# Altium PCB AX7021B.PcbDoc (part 6 of 6)
Units mil, origin at the board's own origin, x right, y up, seen from the top; angles counter-clockwise.
Board outline 5906.91 x 4331.71 mil, 4 copper layers (TOP, SGND, SVCC, BOTTOM), stack 63 mil thick; 463 components, 582 nets, 2114 pads, 861 vias.
Unrouted connection lines stored in the file: 129.
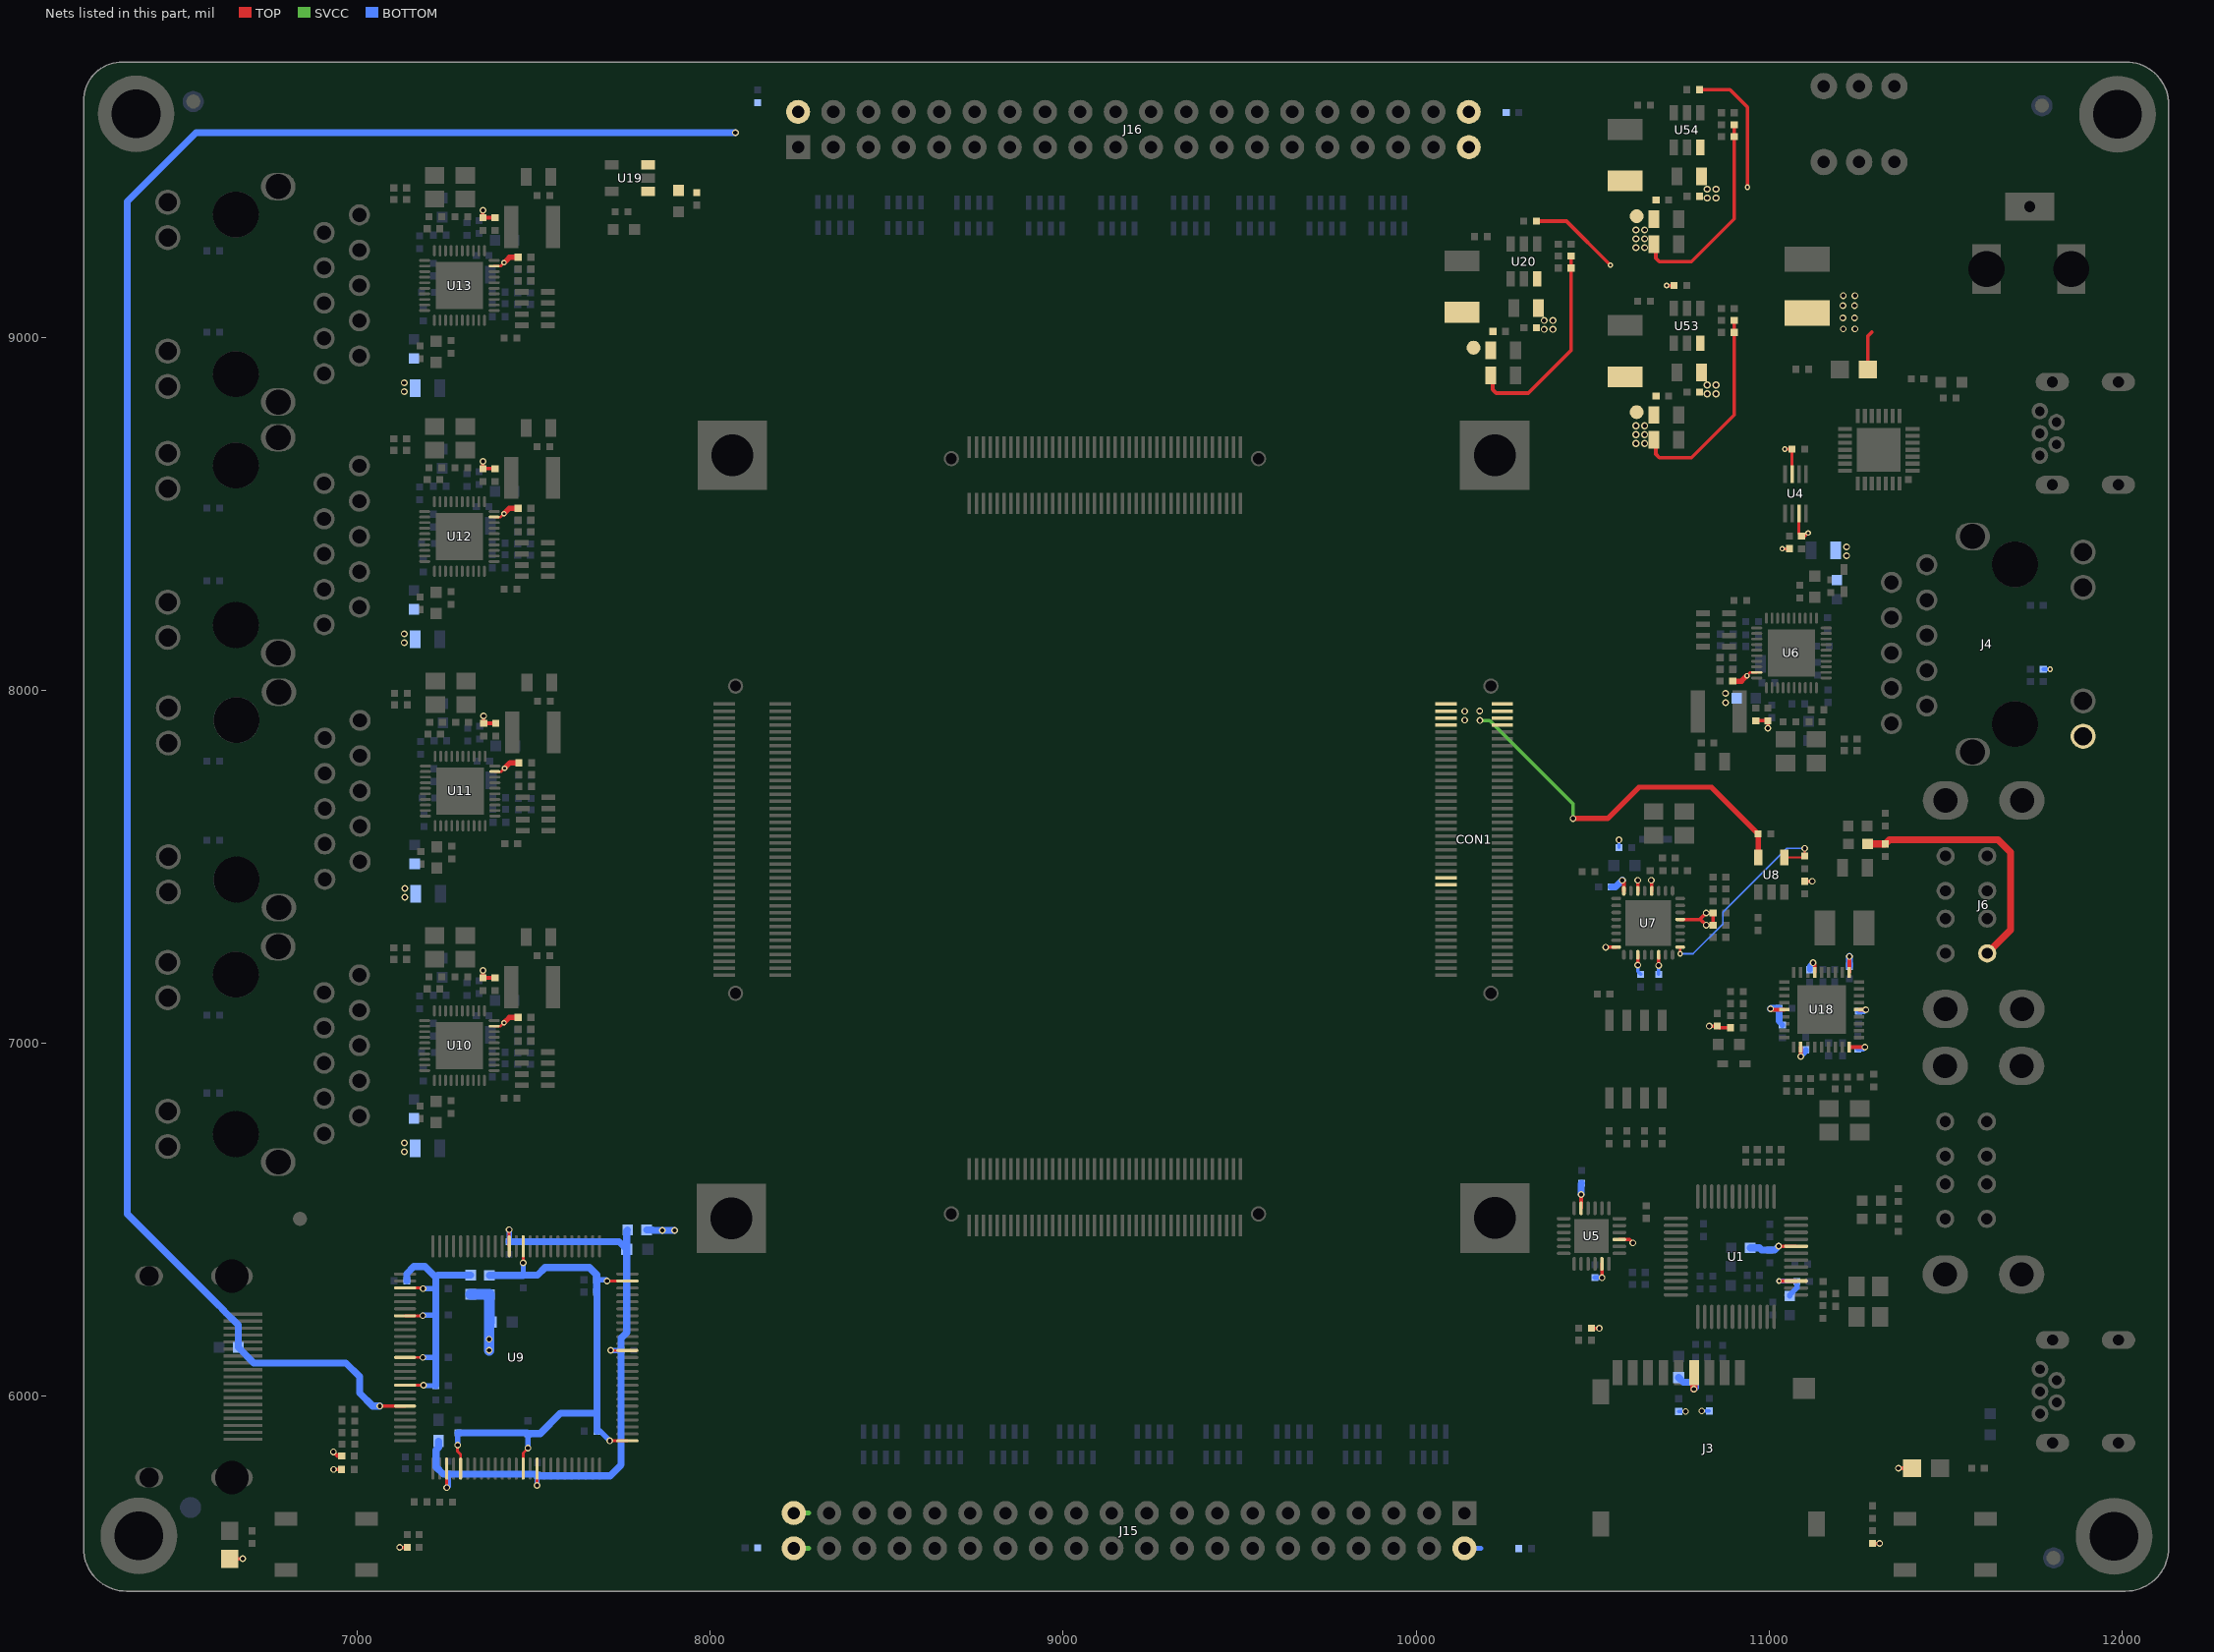
[diagram p8: the nets of this part, all layers, seen from the top]

## Via types
v1: diameter 16, hole 8, TOP to BOTTOM, 459 vias
v2: diameter 19, hole 12, TOP to BOTTOM, 320 vias
v3: diameter 19.69, hole 11.81, TOP to BOTTOM, 82 vias

## Nets (pads, with @x,y where several pads share a name; then routed paths per layer and width w, separated by ;. In a path a pad name is that pad's centre, name@x,y a point inside that pad or via, vN(x,y) a via of type N, cw(c..) or ccw(c..) an arc to the next point about the centre after c; other vN are vias at no path point) (continued)
VBUS4: C242.1 J6.B1 L30.1 | length 738.7
  TOP w20: L30.1@11278.74,7565.28 11278.9,7565.12 C242.1@11329.3,7565.12 11341.03,7576.85 11648.65,7576.85 11684.04,7541.46 11684.04,7321.29 J6.B1@11617.8,7255.05
VCC1V8: C24.1 C54.1 C55.1 C56.1 C81.1 C623.1 C624.2 C625.1 C626.1 L8.2 L9.2 L40.2 L65.1 R36.2 R320.1 TP3.1 U5.5 U7.8 U7.11 U7.14 U7.28 U7.30 U7.32 | length 1164.8
  TOP w10: U5.5@10467.34,6533.09 v2(10467.34,6572.15) ; v2(10537.04,7272.43) U7.8@10566.87,7272.43 ; v2(10584.04,7461.85) 10588.52,7457.37 U7.32@10588.52,7431.88 ; v2(10627.89,7221.85) U7.11@10627.89,7250.78 ; U7.30@10627.89,7431.88 v2(10627.89,7462) ; v2(10666.04,7461.85) 10667.26,7460.63 U7.28@10667.26,7431.88 ; C623.1@10673.8,8709.38 10678.94,8704.24 10678.94,8669.33 10688.94,8659.33 10779.81,8659.33 10900.79,8780.31 C624.2@10900.79,9013.91 R320.1@10900.79,9047.56 ; v2(10686.95,7220.94) U7.14@10686.95,7250.78
  BOTTOM w8: R36.2@10574.59,7554.47 v2(10574.59,7576.54)
  BOTTOM w10: v2(10627.89,7221.85) 10627.89,7204 C54.1@10636.04,7195.85 ; v2(10686.95,7220.94) 10686.95,7195.94 C56.1@10687.04,7195.85
  BOTTOM w20: v2(10467.34,6572.15) 10467.34,6602.15 C24.1@10469.04,6603.85 ; C55.1@10553.04,7442.85 10565.04,7442.85 v2(10584.04,7461.85)
  BOTTOM w30: L9.2@7322.04,6289.35 7374.41,6289.35 L8.2@7374.8,6288.96 7374.8,6210.61 7374.04,6209.85 v2(7374.04,6161.85) v2(7374.04,6130.85)
  other v3: 10876.81,7965.49 10876.29,7991.5 10622.56,8699.36 10647.56,8699.36 10622.56,8724.36 10647.56,8724.36 10622.56,8749.36 10647.56,8749.36
VCC3V3: C22.1 C23.1 C25.1 C52.1 C53.1 C191.1 C193.1 C223.1 C224.1 C225.1 C226.1 C227.1 C228.1 C229.1 C239.1 C240.1 C629.2 C630.1 C631.1 C632.1 C1489.1 C1494.1 C1498.1 C1503.1 C1521.1 C1526.1 C1538.1 C1543.1 C1555.1 C1560.1 J3.4 J4.11 J15.39 J15.40 J16.39 J16.40 L7.1 L41.2 L63.1 L67.1 L71.1 L75.1 L79.1 LED1.1 LED2.1 R16.2 R17.2 R19.2 R41.1 R48.2 R49.2 R119.2 R123.2 R153.2 R160.1 R163.2 R324.1 R1025.1 R1028.2 R1029.2 R1045.2 R1061.1 R1062.2 R1078.1 R1080.2 R1096.1 R1098.2 R1115.1 TP2.1 U4.3 U4.7 U5.17 U5.21 U6.29 U7.21 U10.29 U11.29 U12.29 U13.29 U18.5 U18.10 U18.15 U18.23 U18.29 U18.36 | length 2754.8
  TOP w7.5: U12.29@7388.37,8490.85 7406.41,8490.85 v1(7416.01,8500.45) ; U13.29@7388.37,9201.85 7406.41,9201.85 v1(7416.01,9211.45) ; U10.29@7388.38,7048.84 7406.42,7048.84 v1(7416.02,7058.44) ; U11.29@7390.37,7769.85 7408.41,7769.85 v1(7418.01,7779.45) ; v1(10937.07,8041.25) 10946.67,8050.85 U6.29@10964.71,8050.85
  TOP w8: v1(11037.18,8401.3) R160.1@11057.39,8401.3 ; v1(11044.25,8683.37) C239.1@11064.62,8683.37 11064.85,8683.14 U4.3@11064.85,8612.46 ; U4.7@11084.53,8501.24 11084.53,8444.05 C240.1@11091.48,8437.1 11102.31,8437.1 11110.31,8445.1 v1(11110.31,8445.68)
  TOP w10: LED2.1@6639.37,5540.38 v2(6676.18,5540.38) ; v2(6932.91,5842.98) 6944.64,5831.25 R48.2@6956.36,5831.25 ; v2(6933.5,5793.14) R49.2@6956.18,5793.14 ; v2(7120.56,5572.4) R123.2@7142.08,5572.4 ; v3(7356.56,7206.74) R1045.2@7356.56,7185.79 R1061.1@7390.69,7185.79 ; v3(7356.55,8648.75) R1080.2@7356.55,8627.8 R1096.1@7390.68,8627.8 ; v3(7356.55,9359.75) R1098.2@7356.55,9338.8 R1115.1@7390.68,9338.8 ; v3(7358.55,7927.75) R1062.2@7358.55,7906.8 R1078.1@7392.68,7906.8 ; R19.2@10496.6,6193.03 v2(10519.16,6193.03) ; v2(10526.4,6336.26) U5.17@10526.4,6375.61 ; U5.21@10575.61,6444.51 10604.38,6444.51 v2(10614.04,6434.85) ; C630.1@10673.8,9264.13 10678.94,9258.99 10678.94,9224.08 10688.94,9214.08 10779.81,9214.08 10900.79,9335.06 R324.1@10900.79,9602.31 ; U7.21@10747.97,7351.17 10803.41,7351.17 ; v2(10830.41,7049.02) C224.1@10853.06,7049.02 10857.83,7044.25 R153.2@10890.56,7044.25 ; R1025.1@10962.4,7913.9 R1028.2@10996.53,7913.9 v3(10996.53,7892.95) ; v2(11003.99,7098.18) 11006.82,7095.35 U18.23@11042.73,7095.35 ; v2(11089.48,6963.18) U18.29@11089.48,6989.54 ; R41.1@11100.69,7459.32 v2(11121.92,7459.32) ; v2(11124.4,7228.52) 11128.85,7224.07 U18.15@11128.85,7201.16 ; U18.36@11227.28,6989.54 v2(11271.35,6989.54) ; U18.10@11227.28,7201.16 v2(11227.28,7246.09) ; U18.5@11254.35,7095.35 v2(11273.73,7095.35) ; R119.2@11292.62,5583.44 v2(11312.97,5583.44) ; v2(11366.26,5796.58) LED1.1@11405.27,5796.58 ; 10803.41,7351.17 10805.32,7351.17 v2(10821.58,7334.91) C53.1@10841.28,7334.91 C52.1@10841.28,7369.29 v2(10821.53,7369.29) 10803.41,7351.17
  TOP w15: v1(7416.02,7058.44) 7431.29,7073.71 C1503.1@7456.42,7073.71 ; v1(7416.01,8500.45) 7431.28,8515.72 C1543.1@7456.41,8515.72 ; v1(7416.01,9211.45) 7431.28,9226.72 C1560.1@7456.41,9226.72 ; v1(7418.01,7779.45) 7433.28,7794.72 C1526.1@7458.41,7794.72 ; C1494.1@10896.67,8025.98 10921.8,8025.98 v1(10937.07,8041.25)
  TOP w20: v2(10787.12,6020.72) J3.4@10787.12,6067.85
  SVCC w15: J15.40@8237.04,5569.85 8278.56,5569.85 ; J15.39@8237.04,5669.85 8278.56,5669.85
  BOTTOM w10: R16.2@10743.76,5957.49 v2(10763.41,5957.49) ; v2(10809.38,5958.67) R17.2@10830.58,5958.67 ; R1029.2@11776.54,8059.67 v1(11795.91,8059.67)
  BOTTOM w15: C23.1@10506.54,6336.82 10525.84,6336.82 v2(10526.4,6336.26) ; 11028.27,7063.62 11028.27,7060.98 R163.2@11037.5,7051.75 ; v2(11089.48,6963.18) 11103.73,6977.43 C229.1@11103.73,6981.72 ; C227.1@11115,7208.6 11115,7219.12 v2(11124.4,7228.52) ; C223.1@11251.35,6984.31 11266.12,6984.31 v2(11271.35,6989.54) ; C225.1@11253.33,7090.62 11269,7090.62 v2(11273.73,7095.35)
  BOTTOM w20: L7.1@7820.3,6471.46 7837.43,6471.46 7838.57,6470.32 v2(7864.7,6470.32) v2(7899.7,6470.32) ; C22.1@10743.51,6053.51 10756.67,6040.35 C25.1@10791.04,6040.35 10791.04,6024.64 v2(10787.12,6020.72) ; v2(11003.99,7098.18) 11004.95,7099.14 C228.1@11028.27,7099.14 11028.27,7063.62 ; v2(11227.28,7246.09) 11227.33,7246.04 C226.1@11227.33,7218.62
  other v3: 7133.63,6693.06 7133.63,6718.05 7135.62,7414.07 7135.62,7439.06 7133.62,8135.07 7133.62,8160.06 11219.46,8381.64 11219.46,8406.63 7133.62,8846.07 7133.62,8871.06 10622.56,9254.11 10647.56,9254.11 10622.56,9279.11 10647.56,9279.11 10622.56,9304.11 10647.56,9304.11
VCC5V: C61.1 C186.1 C189.1 C190.1 C192.1 C617.1 C618.2 C619.1 C620.1 CON1.1 CON1.2 CON1.3 CON1.4 CON1.5 CON1.6 CON1.7 CON1.8 F1.1 J15.2 J16.2 L39.2 R317.1 TP4.1 U8.5 U9.45 U19.1 U19.3 | length 7465.8
  TOP w10: v2(7064.23,5972.66) U9.45@7135.84,5972.66 ; C617.1@10211.76,8891.92 10216.9,8886.78 10216.9,8851.87 10226.9,8841.87 10317.77,8841.87 10438.75,8962.85 C618.2@10438.75,9196.45 R317.1@10438.75,9230.1
  TOP w15: v2(10444.34,7637.03) 10542.66,7637.03 10631.31,7725.68 10836.87,7725.68 C61.1@10968.79,7593.76 U8.5@10968.78,7526.68
  SVCC w10: v2(10180.84,7914.62) 10208.34,7914.62 10444.34,7678.62 v2(10444.34,7637.03)
  BOTTOM w15: J15.2@10137.04,5569.85 10183.04,5569.85
  BOTTOM w20: v2(7064.23,5972.66) 7044.23,5972.66 7007.04,6009.85 7007.04,6056.41 6968.6,6094.85 6707.54,6094.85 F1.1@6663.54,6138.85 6663.54,6202.35 6623.54,6242.35 6623.54,6243.03 6609.19,6257.38 6608.51,6257.38 6349.04,6516.85 6349.04,9384.85 6544.04,9579.85 v2(8071.7,9579.85)
  other v2: 10137.84,7915.62 10137.84,7940.62 10179.84,7941.62
VCC12V: C615.1 C621.1 C627.1 C670.1 C671.1 C672.1 F2.2 LED9.1 R318.1 R325.1 R326.1 U20.3 U53.3 U54.3 | length 776.4
  TOP w10: R318.1@10340.91,9329.11 10425.87,9329.11 v1(10550.27,9204.71) ; v1(10709.66,9146.57) R326.1@10730.95,9146.57 ; R325.1@10802.95,9701.32 10888.95,9701.32 10938.44,9651.83 v1(10938.44,9425.02) ; LED9.1@11279.26,8908.98 11279.26,9003.51 11291.24,9015.49
  other v2: 11210.04,9023.85 11243.04,9023.85 11209.04,9054.85 11242.04,9054.85 11209.04,9089.85 11242.04,9089.85 11210.04,9117.85 11243.04,9117.85
  other v3: 10824.53,8839.88 10849.53,8839.88 10824.53,8864.88 10849.53,8864.88 10362.49,9022.42 10387.49,9022.42 10362.49,9047.42 10387.49,9047.42 10824.53,9394.63 10849.53,9394.63 10824.53,9419.63 10849.53,9419.63
VIDEO1_AVCC: C77.1 C78.1 C79.1 C80.1 L9.1 R51.2 U9.28 U9.32 U9.38 U9.42 | length 881.9
  TOP w8: U9.42@7135.84,6031.72 v2(7188.06,6031.72) ; U9.38@7135.84,6110.46 v2(7186.3,6110.46) ; U9.32@7135.84,6228.57 v2(7186.19,6228.57) ; U9.28@7135.84,6307.31 7184.95,6307.31 v2(7186.8,6305.46)
  BOTTOM w15: v2(7186.19,6228.57) 7188.08,6230.46 C77.1@7222.8,6230.46 ; v2(7186.3,6110.46) C80.1@7222.8,6110.46 ; v2(7186.8,6305.46) C79.1@7222.8,6305.46 ; v2(7188.06,6031.72) 7189.32,6030.46 C78.1@7222.8,6030.46
  BOTTOM w20: R51.2@7140.8,6327.58 7140.8,6347.95 7160.8,6367.95 7192.31,6367.95 7222.8,6337.46 ; C78.1@7222.8,6030.46 C80.1@7222.8,6110.46 C77.1@7222.8,6230.46 C79.1@7222.8,6305.46 7222.8,6337.46 ; L9.1@7322.04,6343.35 7228.69,6343.35 7222.8,6337.46
VIDEO1_CORE: C69.1 C70.1 C71.1 C72.1 C73.1 C74.1 L8.1 U9.12 U9.55 U9.64 U9.76 U9.99 | length 1661.8
  TOP w8: v2(7284.8,5861.96) 7284.8,5843.96 7293.32,5835.44 U9.55@7293.32,5795.5 ; U9.64@7470.48,5795.5 7470.48,5840.14 v2(7483.8,5853.46) ; v2(7470.49,6378.46) U9.12@7470.49,6425.42 ; v2(7708.27,6326.99) U9.99@7765.76,6326.99 ; v2(7716.02,5874.24) U9.76@7765.76,5874.24
  BOTTOM w15: v2(7284.8,5861.96) 7285.3,5862.46 C73.1@7285.3,5896.96 ; v2(7470.49,6378.46) 7470.49,6374.77 7470.8,6374.46 C72.1@7470.8,6343.46 ; v2(7483.8,5853.46) C71.1@7483.8,5894.96 ; C69.1@7678.8,6330.46 7704.8,6330.46 v2(7708.27,6326.99) ; C74.1@7679.3,5901.96 7688.3,5901.96 v2(7716.02,5874.24)
  BOTTOM w20: C73.1@7285.3,5896.96 7481.8,5896.96 C71.1@7483.8,5894.96 7518.8,5894.96 7576.8,5952.96 7679.3,5952.96 ; L8.1@7374.8,6342.96 7470.3,6342.96 C72.1@7470.8,6343.46 7511.3,6343.46 7532.8,6364.96 7658.3,6364.96 7678.8,6344.46 C69.1@7678.8,6330.46 C70.1@7678.8,6295.46 7679.3,6294.96 7679.3,5952.96 ; C74.1@7679.3,5901.96 7679.3,5952.96
VIDEO1_VCCIO: C65.1 C66.1 C67.1 C68.1 C75.1 L7.2 R43.2 U9.14 U9.53 U9.66 U9.89 | length 1965.9
  TOP w8: v2(7253.95,5741.85) U9.53@7253.95,5795.5 ; v2(7430.8,6472.46) 7430.8,6425.74 U9.14@7431.12,6425.42 ; v2(7509.86,5747.85) U9.66@7509.86,5795.5 ; v2(7718.8,6130.46) 7719.12,6130.14 U9.89@7765.76,6130.14
  BOTTOM w15: v2(7253.95,5741.85) 7258.04,5745.94 C67.1@7258.04,5779.85 ; C75.1@7430.8,6438.46 v2(7430.8,6472.46) ; v2(7509.86,5747.85) 7509.86,5775.52 C68.1@7510.8,5776.46 ; v2(7718.8,6130.46) C66.1@7747.8,6130.46
  BOTTOM w20: R43.2@7230.66,5873.46 7230.66,5854.82 7223.7,5847.86 7223.7,5799.85 7243.7,5779.85 C67.1@7258.04,5779.85 7507.41,5779.85 C68.1@7510.8,5776.46 7512.3,5774.96 7716.8,5774.96 7747.8,5805.96 C66.1@7747.8,6130.46 7747.8,6164.99 7763.69,6180.88 C65.1@7763.69,6417.03 ; C75.1@7430.8,6438.46 7742.26,6438.46 C65.1@7763.69,6417.03 ; L7.2@7766.3,6471.46 7763.69,6468.85 C65.1@7763.69,6417.03
VPHY: C15.1 L2.2 U1.3 | length 149.6
  TOP w10: v1(11027.94,6326.95) U1.3@11076.39,6326.95
  BOTTOM w15: v1(11027.94,6326.95) 11076.94,6326.95 C15.1@11078.04,6325.85 11079.04,6324.85 11079.04,6307.85 11058.04,6286.85 L2.2@11058.04,6284.35
VPLL: C13.1 L1.2 U1.8 | length 137.1
  TOP w10: v2(11027.04,6425.85) 11027.51,6425.38 U1.8@11076.39,6425.38
  BOTTOM w20: L1.2@10946.54,6420.85 10973.04,6420.85 10979.04,6414.85 C13.1@11002.04,6414.85 11016.04,6414.85 v2(11027.04,6425.85)
VUSB_V_EN: R42.2 U7.17 U8.4 | length 594.5
  TOP w5: U8.4@11043.58,7526.68 11096.37,7526.68 R42.2@11100.69,7531 v2(11100.69,7552.46)
  TOP w6: v1(10747.97,7253.92) U7.17@10747.97,7272.43
  BOTTOM w5: v1(10747.97,7253.92) 10784.55,7253.92 10869.1,7338.47 10869.1,7371.31 11050.25,7552.46 v2(11100.69,7552.46)
XADC_VN: CON1.53
XADC_VP: CON1.51
pads on no net: CON1.15 CON1.17 CON1.21 CON1.23 CON1.25 CON1.27 CON1.41 CON1.43 CON1.45 CON1.47 CON1.55 CON1.75 CON1.76 CON1.81 CON1.82 CON2.81 CON2.82 CON3.81 CON3.82 CON4.81 CON4.82 J1.4 J2.4 J4.17 J4.18 J9.14 J10.17 J10.18 J11.17 J11.18 J12.17 J12.18 J13.17 J13.18 RN17.3 RN17.4 RN17.5 RN17.6 RN18.3 RN18.4 RN18.5 RN18.6 SW1.1 SW1.4 U1.17 U1.18 U1.19 U1.20 U1.21 U1.25 U1.26 U1.27 U1.28 U1.29 U1.30 U1.31 U1.32 U1.33 U2.6 U2.7 U3.1 U3.2 U3.10 U3.11 U3.12 U3.13 U3.14 U3.15 U3.16 U3.17 U3.18 U3.19 U3.20 U3.21 U3.22 U3.23 U3.24 U3.27 U3.28 U5.8 U5.10 U5.12 U5.13 U5.14 U5.15 U6.35 U7.12 U7.15 U7.16 U9.15 U9.16 U9.17 U9.18 U9.19 U9.20 U9.21 U9.22 U9.23 U10.35 U11.35 U12.35 U13.35 U18.11 U18.12 U18.13 U18.16 U18.17 U18.18 U18.19 U18.20 U18.21 U19.4

## Polygon pours and split planes (outlines as drawn)
no net on Top Overlay (solid): 24 vertices, not listed, extent 7890.95,9522.59 7921.95,9599.59
no net on Top Overlay (solid): 24 vertices, not listed, extent 7989.95,9522.59 8020.95,9599.59
no net on Top Overlay (solid): 24 vertices, not listed, extent 7890.95,9633.59 7921.95,9710.59
no net on Top Overlay (solid): 24 vertices, not listed, extent 7989.95,9633.59 8020.95,9710.59
no net on Top Overlay (solid): 24 vertices, not listed, extent 7838.95,5636.59 7869.95,5713.59
no net on Top Overlay (solid): 24 vertices, not listed, extent 7838.95,5525.59 7869.95,5602.59
no net on Top Overlay (solid): 24 vertices, not listed, extent 7980.95,5637.59 8011.95,5714.59
no net on Top Overlay (solid): 24 vertices, not listed, extent 7980.95,5526.59 8011.95,5603.59
GND on TOP (solid, pour order 168): 18 vertices, not listed, extent 10699.13,9239.1 10777.08,9556.71
GND on TOP (solid, pour order 166): 18 vertices, not listed, extent 10237.09,8866.89 10315.04,9184.5
GND on TOP (solid, pour order 164): 18 vertices, not listed, extent 10699.13,8684.35 10777.08,9001.96
VCC12V on TOP (solid, pour order 152): 10793.06,9558.69 10793.06,9392.49 10793.06,9386.14 10796.37,9382.83 10858.19,9382.83 10862.78,9387.42 10862.78,9398.35 10862.78,9517.47 10845.14,9535.11 10820.89,9559.36 10793.73,9559.36 10793.06,9558.69
VCC12V on TOP (solid, pour order 150): 11209.7,9126.85 11326.17,9126.85 11338.7,9114.32 11338.7,8988.85 11193.04,8988.85 11048.17,8988.85 11024.7,9012.32 11024.7,9121.32 11030.7,9127.32 11209.23,9127.32 11209.7,9126.85
VCC12V on TOP (solid, pour order 148): 10331.02,9186.48 10331.02,9020.28 10331.02,9013.93 10334.33,9010.62 10396.15,9010.62 10400.74,9015.21 10400.74,9026.14 10400.74,9145.26 10383.1,9162.9 10358.85,9187.15 10331.69,9187.15 10331.02,9186.48
VCC12V on TOP (solid, pour order 144): 10793.06,9003.94 10793.06,8837.74 10793.06,8831.39 10796.37,8828.08 10858.19,8828.08 10862.78,8832.67 10862.78,8843.6 10862.78,8962.72 10845.14,8980.36 10820.89,9004.61 10793.73,9004.61 10793.06,9003.94
VCC3V3 on TOP (solid, pour order 136): 10633.67,9472.28 10549.43,9472.28 10543.2,9466.05 10543.2,9409.98 10597.52,9355.66 10597.52,9247.85 10607.25,9238.12 10635.68,9238.12 10683.57,9238.12 10689.65,9244.2 10689.65,9292.09 10689.65,9416.3 10679.41,9426.54 10633.67,9472.28
N17796323 on TOP (solid, pour order 124): 69 vertices, not listed, extent 11213.7,9074.32 11691.7,9748.32
VCC1V8 on TOP (solid, pour order 118): 10633.67,8917.53 10549.43,8917.53 10543.2,8911.3 10543.2,8855.23 10597.52,8800.91 10597.52,8693.1 10607.25,8683.37 10635.68,8683.37 10683.57,8683.37 10689.65,8689.45 10689.65,8737.34 10689.65,8861.55 10679.41,8871.79 10633.67,8917.53
VCC5V on TOP (solid, pour order 110): 66 vertices, not listed, extent 7804.16,5483.85 10342.7,9685.93
RGMII_VCC on TOP (solid, pour order 106): 7732.23,9427.25 7689.85,9427.25 7677.6,9415 7677.6,9403.98 7677.6,9354.24 7658.04,9334.68 7658.04,9291.83 7669.27,9280.6 7677.59,9280.6 7735.23,9280.6 7741.2,9286.57 7741.2,9418.28 7732.23,9427.25
N19724336 on TOP (solid, pour order 96): 17 vertices, not listed, extent 10985.86,9184.85 11195.7,9746.35
PHY5_DVDDL on TOP (solid, pour order 88): 7535.92,9254.02 7570.48,9254.02 7598.1,9281.64 7598.1,9472.2 7588.16,9482.14 7539.36,9482.14 7535.42,9478.2 7535.42,9254.52 7535.92,9254.02
PHY5_DVDDL on TOP (solid, pour order 84): 7376.6,8999.55 7376.6,9074.55 7381.67,9079.62 7396.38,9079.62 7400.35,9075.65 7400.35,9040.67 7426.43,9014.59 7426.43,8988.7 7424.73,8987 7389.14,8987 7376.6,8999.55
PHY5_REGOUT on TOP (solid, pour order 82): 7391.64,9213.68 7378.19,9213.68 7376.81,9215.06 7376.81,9245.6 7411.36,9280.15 7417.88,9286.67 7417.88,9368.52 7418.63,9369.27 7453.01,9369.27 7457.62,9364.66 7457.62,9279.66 7391.64,9213.68
N20564779 on TOP (solid, pour order 78): 20 vertices, not listed, extent 10543.7,9517.02 10778.93,9620.7
PHY2_DVDDL on TOP (solid, pour order 70): 7535.93,7101.01 7570.49,7101.01 7598.11,7128.63 7598.11,7319.19 7588.17,7329.13 7539.37,7329.13 7535.43,7325.19 7535.43,7101.51 7535.93,7101.01
PHY2_DVDDL on TOP (solid, pour order 68): 7391.76,6831.97 7376.61,6847.12 7376.61,6921.54 7381.68,6926.61 7396.39,6926.61 7400.36,6922.64 7400.36,6887.66 7426.44,6861.58 7426.44,6835.69 7422.72,6831.97 7391.76,6831.97
N20565808 on TOP (solid, pour order 66): 20 vertices, not listed, extent 10543.7,8962.27 10778.93,9065.95
N20572137 on TOP (solid, pour order 64): 7114,7235.49 7114,7280.39 7110.23,7284.16 7041.36,7284.16 6975.7,7218.5 6975.7,7184.78 6991.78,7168.7 7047.21,7168.7 7114,7235.49
PHY2_REGOUT on TOP (solid, pour order 54): 7391.65,7060.67 7378.2,7060.67 7376.82,7062.05 7376.82,7092.59 7411.37,7127.14 7417.89,7133.66 7417.89,7215.51 7418.64,7216.26 7453.02,7216.26 7457.63,7211.65 7457.63,7126.65 7391.65,7060.67
N20568243 on TOP (solid, pour order 52): 11239.09,7864.2 11239.09,7819.3 11242.86,7815.53 11311.73,7815.53 11377.39,7881.19 11377.39,7914.91 11361.31,7930.99 11305.88,7930.99 11239.09,7864.2
PHY1_REGOUT on TOP (solid, pour order 50): 10961.44,8039.02 10974.89,8039.02 10976.27,8037.64 10976.27,8007.1 10941.72,7972.55 10935.2,7966.03 10935.2,7884.18 10934.45,7883.43 10900.07,7883.43 10895.46,7888.04 10895.46,7973.04 10961.44,8039.02
PHY1_DVDDL on TOP (solid, pour order 44): 10932.5,8269.85 10965.33,8269.85 10976.48,8258.7 10976.48,8178.15 10971.41,8173.08 10956.7,8173.08 10952.73,8177.05 10952.73,8212.03 10926.65,8238.11 10926.65,8264 10932.5,8269.85
PHY1_DVDDL on TOP (solid, pour order 42): 10817.16,7998.68 10782.6,7998.68 10754.98,7971.06 10754.98,7780.5 10764.92,7770.56 10813.72,7770.56 10817.66,7774.5 10817.66,7998.18 10817.16,7998.68
N20577515 on TOP (solid, pour order 38): 7115.99,7956.5 7115.99,8001.4 7112.22,8005.17 7043.35,8005.17 6977.69,7939.51 6977.69,7905.79 6993.77,7889.71 7049.2,7889.71 7115.99,7956.5

## Text inside footprints (layer, text, board x,y; h text height)
CON1: PIN_NUMBER "80" at 10224.12,7193.36 h25 r270; PIN_NUMBER "78" at 10224.12,7213.05 h25 r270; PIN_NUMBER "79" at 10064.68,7193.36 h25 r270; PIN_NUMBER "53" at 10064.68,7449.27 h25 r270; PIN_NUMBER "51" at 10064.68,7468.95 h25 r270; PIN_NUMBER "77" at 10064.68,7213.05 h25 r270; PIN_NUMBER "9" at 10074.68,7882.34 h25 r270; PIN_NUMBER "10" at 10224.12,7882.34 h25 r270; PIN_NUMBER "20" at 10224.12,7783.91 h25 r270; PIN_NUMBER "29" at 10064.68,7685.49 h25 r270; PIN_NUMBER "30" at 10224.12,7685.49 h25 r270; PIN_NUMBER "39" at 10064.68,7587.06 h25 r270; PIN_NUMBER "40" at 10224.12,7587.06 h25 r270; PIN_NUMBER "49" at 10064.68,7488.64 h25 r270; PIN_NUMBER "50" at 10224.12,7488.64 h25 r270; PIN_NUMBER "60" at 10224.12,7390.21 h25 r270; PIN_NUMBER "59" at 10064.68,7390.21 h25 r270; PIN_NUMBER "70" at 10224.12,7291.79 h25 r270; PIN_NUMBER "69" at 10064.68,7291.79 h25 r270; PIN_NUMBER "19" at 10064.68,7783.91 h25 r270; PIN_NUMBER "61" at 10064.68,7370.53 h25 r270; PIN_NUMBER "67" at 10064.68,7311.47 h25 r270; PIN_NUMBER "74" at 10224.12,7252.42 h25 r270; PIN_NUMBER "33" at 10064.68,7646.12 h25 r270; PIN_NUMBER "35" at 10064.68,7626.43 h25 r270; PIN_NUMBER "37" at 10064.68,7606.75 h25 r270; PIN_NUMBER "62" at 10224.12,7370.53 h25 r270; PIN_NUMBER "22" at 10224.12,7764.23 h25 r270; PIN_NUMBER "42" at 10224.12,7567.38 h25 r270; PIN_NUMBER "44" at 10224.12,7547.69 h25 r270; PIN_NUMBER "34" at 10224.12,7646.12 h25 r270; PIN_NUMBER "32" at 10224.12,7665.8 h25 r270; PIN_NUMBER "28" at 10224.12,7705.17 h25 r270; PIN_NUMBER "26" at 10224.12,7724.86 h25 r270; PIN_NUMBER "36" at 10224.12,7626.43 h25 r270; PIN_NUMBER "38" at 10224.12,7606.75 h25 r270; PIN_NUMBER "12" at 10224.12,7862.65 h25 r270; PIN_NUMBER "14" at 10224.12,7842.97 h25 r270; PIN_NUMBER "16" at 10224.12,7823.28 h25 r270; PIN_NUMBER "18" at 10224.12,7803.6 h25 r270; PIN_NUMBER "24" at 10224.12,7744.54 h25 r270; PIN_NUMBER "58" at 10224.12,7409.9 h25 r270; PIN_NUMBER "11" at 10064.68,7862.65 h25 r270; PIN_NUMBER "54" at 10224.12,7449.27 h25 r270; PIN_NUMBER "65" at 10064.68,7331.16 h25 r270; PIN_NUMBER "63" at 10064.68,7350.84 h25 r270; PIN_NUMBER "57" at 10064.68,7409.9 h25 r270; PIN_NUMBER "72" at 10224.12,7272.1 h25 r270; PIN_NUMBER "48" at 10224.12,7508.32 h25 r270; PIN_NUMBER "64" at 10224.12,7350.84 h25 r270; PIN_NUMBER "46" at 10224.12,7528.01 h25 r270; PIN_NUMBER "66" at 10224.12,7331.16 h25 r270; PIN_NUMBER "2" at 10234.12,7961.08 h25 r270; PIN_NUMBER "4" at 10234.12,7941.39 h25 r270; PIN_NUMBER "6" at 10234.12,7921.71 h25 r270; PIN_NUMBER "8" at 10234.12,7902.02 h25 r270; PIN_NUMBER "7" at 10074.68,7902.02 h25 r270; PIN_NUMBER "5" at 10074.68,7921.71 h25 r270; PIN_NUMBER "3" at 10074.68,7941.39 h25 r270; PIN_NUMBER "1" at 10074.68,7961.08 h25 r270; PIN_NUMBER "13" at 10064.68,7842.97 h25 r270; PIN_NUMBER "56" at 10224.12,7429.58 h25 r270; PIN_NUMBER "68" at 10224.12,7311.47 h25 r270; PIN_NUMBER "71" at 10064.68,7272.1 h25 r270; PIN_NUMBER "73" at 10064.68,7252.42 h25 r270; PIN_NUMBER "31" at 10064.68,7665.8 h25 r270; PIN_NUMBER "52" at 10224.12,7468.95 h25 r270; PIN_NUMBER "82" at 10224.4,7077.22 h25 r270; PIN_NUMBER "81" at 10171.64,8062.26 h25 r270; PIN_NUMBER "76" at 10224.12,7232.73 h25 r270; PIN_NUMBER "75" at 10064.68,7232.73 h25 r270; PIN_NUMBER "55" at 10064.68,7429.58 h25 r270; PIN_NUMBER "47" at 10064.68,7508.32 h25 r270; PIN_NUMBER "45" at 10064.68,7528.01 h25 r270; PIN_NUMBER "43" at 10064.68,7547.69 h25 r270; PIN_NUMBER "41" at 10064.68,7567.38 h25 r270; PIN_NUMBER "27" at 10064.68,7705.17 h25 r270; PIN_NUMBER "25" at 10064.68,7724.86 h25 r270; PIN_NUMBER "23" at 10064.68,7744.54 h25 r270; PIN_NUMBER "21" at 10064.68,7764.23 h25 r270; PIN_NUMBER "17" at 10064.68,7803.6 h25 r270; PIN_NUMBER "15" at 10064.68,7823.28 h25 r270
CON2: PIN_NUMBER "69" at 9383.83,8529.5 h25; PIN_NUMBER "59" at 9285.41,8529.5 h25; PIN_NUMBER "49" at 9186.98,8529.5 h25; PIN_NUMBER "39" at 9088.56,8529.5 h25; PIN_NUMBER "29" at 8990.13,8529.5 h25; PIN_NUMBER "19" at 8891.71,8529.5 h25; PIN_NUMBER "9" at 8803.28,8529.5 h25; PIN_NUMBER "70" at 9383.83,8688.94 h25; PIN_NUMBER "60" at 9285.41,8688.94 h25; PIN_NUMBER "50" at 9186.98,8688.94 h25; PIN_NUMBER "40" at 9088.56,8688.94 h25; PIN_NUMBER "30" at 8990.13,8688.94 h25; PIN_NUMBER "20" at 8891.71,8688.94 h25; PIN_NUMBER "10" at 8793.28,8688.94 h25; PIN_NUMBER "53" at 9226.35,8529.5 h25; PIN_NUMBER "51" at 9206.67,8529.5 h25; PIN_NUMBER "47" at 9167.3,8529.5 h25; PIN_NUMBER "45" at 9147.61,8529.5 h25; PIN_NUMBER "43" at 9127.93,8529.5 h25; PIN_NUMBER "41" at 9108.24,8529.5 h25; PIN_NUMBER "17" at 8872.02,8529.5 h25; PIN_NUMBER "15" at 8852.34,8529.5 h25; PIN_NUMBER "7" at 8783.6,8529.5 h25; PIN_NUMBER "5" at 8763.91,8529.5 h25; PIN_NUMBER "6" at 8763.91,8688.94 h25; PIN_NUMBER "8" at 8783.6,8688.94 h25; PIN_NUMBER "2" at 8724.54,8688.94 h25; PIN_NUMBER "4" at 8744.23,8688.94 h25; PIN_NUMBER "18" at 8872.02,8688.94 h25; PIN_NUMBER "16" at 8852.34,8688.94 h25; PIN_NUMBER "13" at 8832.65,8529.5 h25; PIN_NUMBER "11" at 8812.97,8529.5 h25; PIN_NUMBER "28" at 8970.45,8688.94 h25; PIN_NUMBER "26" at 8950.76,8688.94 h25; PIN_NUMBER "44" at 9127.93,8688.94 h25; PIN_NUMBER "42" at 9108.24,8688.94 h25; PIN_NUMBER "38" at 9068.87,8688.94 h25; PIN_NUMBER "36" at 9049.19,8688.94 h25; PIN_NUMBER "54" at 9226.35,8688.94 h25; PIN_NUMBER "52" at 9206.67,8688.94 h25; PIN_NUMBER "48" at 9167.3,8688.94 h25; PIN_NUMBER "46" at 9147.61,8688.94 h25; PIN_NUMBER "64" at 9324.78,8688.94 h25; PIN_NUMBER "58" at 9265.72,8688.94 h25; PIN_NUMBER "62" at 9305.09,8688.94 h25; PIN_NUMBER "56" at 9246.04,8688.94 h25; PIN_NUMBER "68" at 9364.15,8688.94 h25; PIN_NUMBER "66" at 9344.46,8688.94 h25; PIN_NUMBER "63" at 9324.78,8529.5 h25; PIN_NUMBER "61" at 9305.09,8529.5 h25; PIN_NUMBER "74" at 9423.2,8688.94 h25; PIN_NUMBER "72" at 9403.52,8688.94 h25; PIN_NUMBER "78" at 9462.57,8688.94 h25; PIN_NUMBER "76" at 9442.89,8688.94 h25; PIN_NUMBER "73" at 9423.2,8529.5 h25; PIN_NUMBER "71" at 9403.52,8529.5 h25; PIN_NUMBER "67" at 9364.15,8529.5 h25; PIN_NUMBER "65" at 9344.46,8529.5 h25; PIN_NUMBER "77" at 9462.57,8529.5 h25; PIN_NUMBER "75" at 9442.89,8529.5 h25; PIN_NUMBER "34" at 9029.5,8688.94 h25; PIN_NUMBER "32" at 9009.82,8688.94 h25; PIN_NUMBER "23" at 8931.08,8529.5 h25; PIN_NUMBER "27" at 8970.45,8529.5 h25; PIN_NUMBER "21" at 8911.39,8529.5 h25; PIN_NUMBER "25" at 8950.76,8529.5 h25; PIN_NUMBER "37" at 9068.87,8529.5 h25; PIN_NUMBER "35" at 9049.19,8529.5 h25; PIN_NUMBER "80" at 9482.26,8688.94 h25; PIN_NUMBER "24" at 8931.08,8688.94 h25; PIN_NUMBER "22" at 8911.39,8688.94 h25; PIN_NUMBER "55" at 9246.04,8529.5 h25; PIN_NUMBER "57" at 9265.72,8529.5 h25; PIN_NUMBER "12" at 8812.97,8688.94 h25; PIN_NUMBER "14" at 8832.65,8688.94 h25; PIN_NUMBER "79" at 9482.26,8529.5 h25; PIN_NUMBER "33" at 9029.5,8529.5 h25; PIN_NUMBER "31" at 9009.82,8529.5 h25; PIN_NUMBER "1" at 8724.54,8529.5 h25; PIN_NUMBER "3" at 8744.23,8529.5 h25; PIN_NUMBER "82" at 9578.4,8709.22 h25; PIN_NUMBER "81" at 8593.36,8656.46 h25
CON3: PIN_NUMBER "69" at 8179.12,7862.65 h25 r90; PIN_NUMBER "59" at 8179.12,7764.23 h25 r90; PIN_NUMBER "49" at 8179.12,7665.8 h25 r90; PIN_NUMBER "39" at 8179.12,7567.38 h25 r90; PIN_NUMBER "29" at 8179.12,7468.95 h25 r90; PIN_NUMBER "19" at 8179.12,7370.53 h25 r90; PIN_NUMBER "9" at 8189.12,7272.1 h25 r90; PIN_NUMBER "10" at 8019.68,7272.1 h25 r90; PIN_NUMBER "70" at 8019.68,7862.65 h25 r90; PIN_NUMBER "60" at 8019.68,7764.23 h25 r90; PIN_NUMBER "50" at 8019.68,7665.8 h25 r90; PIN_NUMBER "40" at 8019.68,7567.38 h25 r90; PIN_NUMBER "30" at 8019.68,7468.95 h25 r90; PIN_NUMBER "20" at 8019.68,7370.53 h25 r90; PIN_NUMBER "43" at 8179.12,7606.75 h25 r90; PIN_NUMBER "41" at 8179.12,7587.06 h25 r90; PIN_NUMBER "35" at 8179.12,7528.01 h25 r90; PIN_NUMBER "37" at 8179.12,7547.69 h25 r90; PIN_NUMBER "34" at 8019.68,7508.32 h25 r90; PIN_NUMBER "36" at 8019.68,7528.01 h25 r90; PIN_NUMBER "38" at 8019.68,7547.69 h25 r90; PIN_NUMBER "14" at 8019.68,7311.47 h25 r90; PIN_NUMBER "16" at 8019.68,7331.16 h25 r90; PIN_NUMBER "12" at 8019.68,7291.79 h25 r90; PIN_NUMBER "8" at 8029.68,7252.42 h25 r90; PIN_NUMBER "6" at 8029.68,7232.73 h25 r90; PIN_NUMBER "4" at 8029.68,7213.05 h25 r90; PIN_NUMBER "32" at 8019.68,7488.64 h25 r90; PIN_NUMBER "28" at 8019.68,7449.27 h25 r90; PIN_NUMBER "18" at 8019.68,7350.84 h25 r90; PIN_NUMBER "22" at 8019.68,7390.21 h25 r90; PIN_NUMBER "24" at 8019.68,7409.9 h25 r90; PIN_NUMBER "26" at 8019.68,7429.58 h25 r90; PIN_NUMBER "23" at 8179.12,7409.9 h25 r90; PIN_NUMBER "21" at 8179.12,7390.21 h25 r90; PIN_NUMBER "25" at 8179.12,7429.58 h25 r90; PIN_NUMBER "27" at 8179.12,7449.27 h25 r90; PIN_NUMBER "31" at 8179.12,7488.64 h25 r90; PIN_NUMBER "33" at 8179.12,7508.32 h25 r90; PIN_NUMBER "5" at 8189.12,7232.73 h25 r90; PIN_NUMBER "7" at 8189.12,7252.42 h25 r90; PIN_NUMBER "17" at 8179.12,7350.84 h25 r90; PIN_NUMBER "15" at 8179.12,7331.16 h25 r90; PIN_NUMBER "13" at 8179.12,7311.47 h25 r90; PIN_NUMBER "11" at 8179.12,7291.79 h25 r90; PIN_NUMBER "3" at 8189.12,7213.05 h25 r90; PIN_NUMBER "78" at 8019.68,7941.39 h25 r90; PIN_NUMBER "1" at 8189.12,7193.36 h25 r90; PIN_NUMBER "76" at 8019.68,7921.71 h25 r90; PIN_NUMBER "2" at 8029.68,7193.36 h25 r90; PIN_NUMBER "74" at 8019.68,7902.02 h25 r90; PIN_NUMBER "66" at 8019.68,7823.28 h25 r90; PIN_NUMBER "64" at 8019.68,7803.6 h25 r90; PIN_NUMBER "62" at 8019.68,7783.91 h25 r90; PIN_NUMBER "58" at 8019.68,7744.54 h25 r90; PIN_NUMBER "68" at 8019.68,7842.97 h25 r90; PIN_NUMBER "72" at 8019.68,7882.34 h25 r90; PIN_NUMBER "44" at 8019.68,7606.75 h25 r90; PIN_NUMBER "46" at 8019.68,7626.43 h25 r90; PIN_NUMBER "48" at 8019.68,7646.12 h25 r90; PIN_NUMBER "52" at 8019.68,7685.49 h25 r90; PIN_NUMBER "56" at 8019.68,7724.86 h25 r90; PIN_NUMBER "51" at 8179.12,7685.49 h25 r90; PIN_NUMBER "54" at 8019.68,7705.17 h25 r90; PIN_NUMBER "63" at 8179.12,7803.6 h25 r90; PIN_NUMBER "61" at 8179.12,7783.91 h25 r90; PIN_NUMBER "55" at 8179.12,7724.86 h25 r90; PIN_NUMBER "53" at 8179.12,7705.17 h25 r90; PIN_NUMBER "42" at 8019.68,7587.06 h25 r90; PIN_NUMBER "45" at 8179.12,7626.43 h25 r90; PIN_NUMBER "47" at 8179.12,7646.12 h25 r90; PIN_NUMBER "57" at 8179.12,7744.54 h25 r90; PIN_NUMBER "77" at 8179.12,7941.39 h25 r90; PIN_NUMBER "75" at 8179.12,7921.71 h25 r90; PIN_NUMBER "73" at 8179.12,7902.02 h25 r90; PIN_NUMBER "71" at 8179.12,7882.34 h25 r90; PIN_NUMBER "65" at 8179.12,7823.28 h25 r90; PIN_NUMBER "67" at 8179.12,7842.97 h25 r90; PIN_NUMBER "79" at 8179.12,7961.08 h25 r90; PIN_NUMBER "80" at 8019.68,7961.08 h25 r90; PIN_NUMBER "82" at 7979.4,8077.22 h25 r90; PIN_NUMBER "81" at 8032.16,7092.18 h25 r90
CON4: PIN_NUMBER "81" at 9563.44,6516.98 h25 r180; PIN_NUMBER "82" at 8578.4,6464.22 h25 r180; PIN_NUMBER "4" at 9472.57,6484.5 h25 r180; PIN_NUMBER "70" at 8812.97,6484.5 h25 r180; PIN_NUMBER "60" at 8911.39,6484.5 h25 r180; PIN_NUMBER "50" at 9009.82,6484.5 h25 r180; PIN_NUMBER "40" at 9108.24,6484.5 h25 r180; PIN_NUMBER "30" at 9206.67,6484.5 h25 r180; PIN_NUMBER "20" at 9305.09,6484.5 h25 r180; PIN_NUMBER "10" at 9403.52,6484.5 h25 r180; PIN_NUMBER "69" at 8812.97,6643.94 h25 r180; PIN_NUMBER "59" at 8911.39,6643.94 h25 r180; PIN_NUMBER "49" at 9009.82,6643.94 h25 r180; PIN_NUMBER "39" at 9108.24,6643.94 h25 r180; PIN_NUMBER "29" at 9206.67,6643.94 h25 r180; PIN_NUMBER "19" at 9305.09,6643.94 h25 r180; PIN_NUMBER "9" at 9413.52,6643.94 h25 r180; PIN_NUMBER "42" at 9088.56,6484.5 h25 r180; PIN_NUMBER "44" at 9068.87,6484.5 h25 r180; PIN_NUMBER "56" at 8950.76,6484.5 h25 r180; PIN_NUMBER "58" at 8931.08,6484.5 h25 r180; PIN_NUMBER "65" at 8852.34,6643.94 h25 r180; PIN_NUMBER "67" at 8832.65,6643.94 h25 r180; PIN_NUMBER "66" at 8852.34,6484.5 h25 r180; PIN_NUMBER "68" at 8832.65,6484.5 h25 r180; PIN_NUMBER "71" at 8793.28,6643.94 h25 r180; PIN_NUMBER "73" at 8773.6,6643.94 h25 r180; PIN_NUMBER "72" at 8793.28,6484.5 h25 r180; PIN_NUMBER "74" at 8773.6,6484.5 h25 r180; PIN_NUMBER "76" at 8753.91,6484.5 h25 r180; PIN_NUMBER "78" at 8734.23,6484.5 h25 r180; PIN_NUMBER "79" at 8714.54,6643.94 h25 r180; PIN_NUMBER "80" at 8714.54,6484.5 h25 r180; PIN_NUMBER "2" at 9492.26,6484.5 h25 r180; PIN_NUMBER "28" at 9226.35,6484.5 h25 r180; PIN_NUMBER "53" at 8970.45,6643.94 h25 r180; PIN_NUMBER "37" at 9127.93,6643.94 h25 r180; PIN_NUMBER "57" at 8931.08,6643.94 h25 r180; PIN_NUMBER "34" at 9167.3,6484.5 h25 r180; PIN_NUMBER "43" at 9068.87,6643.94 h25 r180; PIN_NUMBER "47" at 9029.5,6643.94 h25 r180; PIN_NUMBER "63" at 8872.02,6643.94 h25 r180; PIN_NUMBER "77" at 8734.23,6643.94 h25 r180; PIN_NUMBER "54" at 8970.45,6484.5 h25 r180; PIN_NUMBER "32" at 9186.98,6484.5 h25 r180; PIN_NUMBER "22" at 9285.41,6484.5 h25 r180; PIN_NUMBER "51" at 8990.13,6643.94 h25 r180; PIN_NUMBER "13" at 9364.15,6643.94 h25 r180; PIN_NUMBER "48" at 9029.5,6484.5 h25 r180; PIN_NUMBER "46" at 9049.19,6484.5 h25 r180; PIN_NUMBER "45" at 9049.19,6643.94 h25 r180; PIN_NUMBER "36" at 9147.61,6484.5 h25 r180; PIN_NUMBER "24" at 9265.72,6484.5 h25 r180; PIN_NUMBER "41" at 9088.56,6643.94 h25 r180; PIN_NUMBER "18" at 9324.78,6484.5 h25 r180; PIN_NUMBER "26" at 9246.04,6484.5 h25 r180; PIN_NUMBER "61" at 8891.71,6643.94 h25 r180; PIN_NUMBER "55" at 8950.76,6643.94 h25 r180; PIN_NUMBER "52" at 8990.13,6484.5 h25 r180; PIN_NUMBER "75" at 8753.91,6643.94 h25 r180; PIN_NUMBER "62" at 8891.71,6484.5 h25 r180; PIN_NUMBER "38" at 9127.93,6484.5 h25 r180; PIN_NUMBER "64" at 8872.02,6484.5 h25 r180; PIN_NUMBER "16" at 9344.46,6484.5 h25 r180; PIN_NUMBER "14" at 9364.15,6484.5 h25 r180; PIN_NUMBER "35" at 9147.61,6643.94 h25 r180; PIN_NUMBER "31" at 9186.98,6643.94 h25 r180; PIN_NUMBER "27" at 9226.35,6643.94 h25 r180; PIN_NUMBER "25" at 9246.04,6643.94 h25 r180; PIN_NUMBER "23" at 9265.72,6643.94 h25 r180; PIN_NUMBER "21" at 9285.41,6643.94 h25 r180; PIN_NUMBER "17" at 9324.78,6643.94 h25 r180; PIN_NUMBER "33" at 9167.3,6643.94 h25 r180; PIN_NUMBER "15" at 9344.46,6643.94 h25 r180; PIN_NUMBER "3" at 9472.57,6643.94 h25 r180; PIN_NUMBER "1" at 9492.26,6643.94 h25 r180; PIN_NUMBER "7" at 9433.2,6643.94 h25 r180; PIN_NUMBER "5" at 9452.89,6643.94 h25 r180; PIN_NUMBER "11" at 9383.83,6643.94 h25 r180; PIN_NUMBER "8" at 9433.2,6484.5 h25 r180; PIN_NUMBER "12" at 9383.83,6484.5 h25 r180; PIN_NUMBER "6" at 9452.89,6484.5 h25 r180
D2: PIN_NUMBER "1" at 10699.84,7577.98 h25 r90; PIN_NUMBER "2" at 10636.84,7577.98 h25 r90
D3: PIN_NUMBER "1" at 10858.38,6942.28 h25 r270; PIN_NUMBER "2" at 10921.38,6942.28 h25 r270
D35: PIN_NUMBER "1" at 11202.48,8342.49 h25 r180; PIN_NUMBER "2" at 11202.48,8279.49 h25 r180
F1: PIN_NUMBER "2" at 6599.54,6138.85 h25; PIN_NUMBER "1" at 6653.54,6138.85 h25
F2: PIN_NUMBER "2" at 11097.7,9069.32 h25 r270; PIN_NUMBER "1" at 11097.7,9221.32 h25 r270; DIMENSION "152.00" at 10985.2,9262.32 h25 r270; DIMENSION "3.86" at 10985.2,9084.32 h25 r270
H1: PIN_NUMBER "1" at 6364.04,9632.85 h25
H2: PIN_NUMBER "1" at 11967.04,5603.85 h25
H3: PIN_NUMBER "1" at 11977.04,9631.85 h25
H4: PIN_NUMBER "1" at 6372.04,5604.85 h25
HOLE1: PIN_NUMBER "1" at 8052.7,8666.22 h25
HOLE2: PIN_NUMBER "1" at 8050.5,6504.72 h25
HOLE3: PIN_NUMBER "1" at 10213.1,6505.22 h25
HOLE4: PIN_NUMBER "1" at 10212.6,8666.22 h25
J1: PIN_NUMBER "6" at 11792.73,5868.47 h25 r90; PIN_NUMBER "7" at 11792.73,6159.81 h25 r90; PIN_NUMBER "8" at 11979.74,5868.47 h25 r90; PIN_NUMBER "9" at 11979.74,6159.81 h25 r90; PIN_NUMBER "5" at 11757.3,6077.13 h25 r90; PIN_NUMBER "3" at 11757.3,6014.14 h25 r90; PIN_NUMBER "1" at 11757.3,5951.15 h25 r90; PIN_NUMBER "2" at 11804.54,5982.64 h25 r90; PIN_NUMBER "4" at 11804.54,6045.64 h25 r90
J2: PIN_NUMBER "9" at 11979.24,8873.65 h25 r90; PIN_NUMBER "8" at 11979.24,8582.31 h25 r90; PIN_NUMBER "7" at 11792.23,8873.65 h25 r90; PIN_NUMBER "6" at 11792.23,8582.31 h25 r90; PIN_NUMBER "5" at 11756.8,8790.97 h25 r90; PIN_NUMBER "2" at 11804.04,8696.48 h25 r90; PIN_NUMBER "3" at 11756.8,8727.98 h25 r90; PIN_NUMBER "1" at 11756.8,8664.99 h25 r90; PIN_NUMBER "4" at 11804.04,8759.48 h25 r90
J3: PIN_NUMBER "6" at 10690.5,6067.85 h25; PIN_NUMBER "10" at 11078.14,6022.57 h25; PIN_NUMBER "11" at 10503.34,6012.73 h25; PIN_NUMBER "12" at 10503.34,5638.72 h25; PIN_NUMBER "13" at 11113.58,5638.72 h25; PIN_NUMBER "4" at 10777.12,6067.85 h25; PIN_NUMBER "1" at 10907.04,6067.85 h25; PIN_NUMBER "2" at 10863.73,6067.85 h25; PIN_NUMBER "3" at 10820.43,6067.85 h25; PIN_NUMBER "5" at 10733.81,6067.85 h25; PIN_NUMBER "7" at 10647.2,6067.85 h25; PIN_NUMBER "8" at 10603.89,6067.85 h25; PIN_NUMBER "9" at 10560.58,6067.85 h25
J4: PIN_NUMBER "15" at 11556.47,7825.73 h25; PIN_NUMBER "P10" at 11416.55,8355.84 h25; PIN_NUMBER "16" at 11556.47,8435.96 h25; PIN_NUMBER "18" at 11676.55,8356.83 h25; PIN_NUMBER "17" at 11676.55,7904.86 h25; PIN_NUMBER "P9" at 11326.55,8305.84 h25; PIN_NUMBER "P8" at 11426.55,8255.84 h25; PIN_NUMBER "P6" at 11426.55,8155.84 h25; PIN_NUMBER "P5" at 11326.55,8105.84 h25; PIN_NUMBER "P7" at 11326.55,8205.84 h25; PIN_NUMBER "P4" at 11426.55,8055.84 h25; PIN_NUMBER "P3" at 11326.55,8005.84 h25; PIN_NUMBER "P2" at 11426.55,7955.84 h25; PIN_NUMBER "11" at 11869.46,7870.02 h25; PIN_NUMBER "14" at 11869.46,8391.67 h25; PIN_NUMBER "13" at 11869.46,8291.67 h25; PIN_NUMBER "P1" at 11326.55,7905.84 h25; PIN_NUMBER "12" at 11869.46,7970.02 h25
J5: PIN_NUMBER "S4" at 11695.23,6936.13 h25 r90; PIN_NUMBER "S3" at 11478.69,6936.13 h25 r90; PIN_NUMBER "S2" at 11695.23,6345.57 h25 r90; PIN_NUMBER "S1" at 11478.69,6345.57 h25 r90; PIN_NUMBER "B4" at 11596.8,6778.65 h25 r90; PIN_NUMBER "A4" at 11478.69,6778.65 h25 r90; PIN_NUMBER "A1" at 11478.69,6503.05 h25 r90; PIN_NUMBER "B1" at 11596.8,6503.05 h25 r90; PIN_NUMBER "B2" at 11596.8,6601.48 h25 r90; PIN_NUMBER "B3" at 11596.8,6680.22 h25 r90; PIN_NUMBER "A2" at 11478.69,6601.48 h25 r90; PIN_NUMBER "A3" at 11478.69,6680.22 h25 r90; Top Overlay "B1" at 11625.29,6426.85 h25 r90; Top Overlay "A1" at 11510.29,6426.85 h25 r90; Top Overlay "A4" at 11510.29,6821.85 h25 r90; Top Overlay "B4" at 11625.3,6816.85 h25 r90; DIMENSION "3" at 11559.46,6229.85 h25 r90; DIMENSION "118.11" at 11559.46,6051.85 h25 r90; DIMENSION "2.5" at 11679.46,6196.85 h25 r90; DIMENSION "98.43" at 11679.46,6040.85 h25 r90; DIMENSION "5.5" at 11614.46,7187.85 h25 r90; DIMENSION "216.54" at 11614.46,7009.85 h25 r90; DIMENSION "2" at 11354.46,6703.85 h25 r90; DIMENSION "78.74" at 11354.46,6547.85 h25 r90; DIMENSION "2.5" at 11409.46,6601.85 h25 r90; DIMENSION "98.43" at 11409.46,6445.85 h25 r90
J6: PIN_NUMBER "S4" at 11696.23,7688.13 h25 r90; PIN_NUMBER "S3" at 11479.69,7688.13 h25 r90; PIN_NUMBER "S2" at 11696.23,7097.57 h25 r90; PIN_NUMBER "S1" at 11479.69,7097.57 h25 r90; PIN_NUMBER "B4" at 11597.8,7530.65 h25 r90; PIN_NUMBER "A4" at 11479.69,7530.65 h25 r90; PIN_NUMBER "A1" at 11479.69,7255.05 h25 r90; PIN_NUMBER "B1" at 11597.8,7255.05 h25 r90; PIN_NUMBER "A2" at 11479.69,7353.48 h25 r90; PIN_NUMBER "A3" at 11479.69,7432.22 h25 r90; PIN_NUMBER "B2" at 11597.8,7353.48 h25 r90; PIN_NUMBER "B3" at 11597.8,7432.22 h25 r90; Top Overlay "B1" at 11626.29,7178.85 h25 r90; Top Overlay "A1" at 11511.29,7178.85 h25 r90; Top Overlay "A4" at 11511.29,7573.85 h25 r90; Top Overlay "B4" at 11626.3,7568.85 h25 r90; DIMENSION "3" at 11560.46,6981.85 h25 r90; DIMENSION "118.11" at 11560.46,6803.85 h25 r90; DIMENSION "2.5" at 11680.46,6948.85 h25 r90; DIMENSION "98.43" at 11680.46,6792.85 h25 r90; DIMENSION "5.5" at 11615.46,7939.85 h25 r90; DIMENSION "216.54" at 11615.46,7761.85 h25 r90; DIMENSION "2" at 11355.46,7455.85 h25 r90; DIMENSION "78.74" at 11355.46,7299.85 h25 r90; DIMENSION "2.5" at 11410.46,7353.85 h25 r90; DIMENSION "98.43" at 11410.46,7197.85 h25 r90
J9: PIN_NUMBER "21" at 6625.73,6341.15 h25; PIN_NUMBER "17" at 6657.23,6193.51 h25; PIN_NUMBER "20" at 6625.73,5770.28 h25; PIN_NUMBER "11" at 6657.23,6075.4 h25; PIN_NUMBER "8" at 6667.23,6016.34 h25; PIN_NUMBER "5" at 6667.23,5957.29 h25; PIN_NUMBER "2" at 6667.23,5898.23 h25; PIN_NUMBER "22" at 6391.08,5770.28 h25; PIN_NUMBER "23" at 6391.08,6341.15 h25; PIN_NUMBER "16" at 6657.23,6173.82 h25; PIN_NUMBER "15" at 6657.23,6154.14 h25; PIN_NUMBER "12" at 6657.23,6095.08 h25; PIN_NUMBER "18" at 6657.23,6213.19 h25; PIN_NUMBER "3" at 6667.23,5917.92 h25; PIN_NUMBER "19" at 6657.23,6232.88 h25; PIN_NUMBER "9" at 6667.23,6036.03 h25; PIN_NUMBER "4" at 6667.23,5937.6 h25; PIN_NUMBER "6" at 6667.23,5976.97 h25; PIN_NUMBER "1" at 6667.23,5878.55 h25; PIN_NUMBER "13" at 6657.23,6114.77 h25; PIN_NUMBER "7" at 6667.23,5996.66 h25; PIN_NUMBER "10" at 6657.23,6055.71 h25; PIN_NUMBER "14" at 6657.23,6134.45 h25
J10: PIN_NUMBER "16" at 6756.62,6663.73 h25 r180; PIN_NUMBER "P10" at 6876.54,6743.85 h25 r180; PIN_NUMBER "15" at 6756.62,7273.96 h25 r180; PIN_NUMBER "P9" at 6986.54,6793.85 h25 r180; PIN_NUMBER "P8" at 6886.54,6843.85 h25 r180; PIN_NUMBER "P6" at 6886.54,6943.85 h25 r180; PIN_NUMBER "P5" at 6986.54,6993.85 h25 r180; PIN_NUMBER "P7" at 6986.54,6893.85 h25 r180; PIN_NUMBER "P4" at 6886.54,7043.85 h25 r180; PIN_NUMBER "P3" at 6986.54,7093.85 h25 r180; PIN_NUMBER "P2" at 6886.54,7143.85 h25 r180; PIN_NUMBER "18" at 6636.54,6742.86 h25 r180; PIN_NUMBER "17" at 6636.54,7194.83 h25 r180; PIN_NUMBER "14" at 6443.63,6708.02 h25 r180; PIN_NUMBER "P1" at 6986.54,7193.85 h25 r180; PIN_NUMBER "13" at 6443.63,6808.02 h25 r180; PIN_NUMBER "11" at 6443.63,7229.67 h25 r180; PIN_NUMBER "12" at 6443.63,7129.67 h25 r180
J11: PIN_NUMBER "15" at 6758.61,7994.97 h25 r180; PIN_NUMBER "16" at 6758.61,7384.74 h25 r180; PIN_NUMBER "P10" at 6878.53,7464.86 h25 r180; PIN_NUMBER "18" at 6638.53,7463.87 h25 r180; PIN_NUMBER "17" at 6638.53,7915.84 h25 r180; PIN_NUMBER "P4" at 6888.53,7764.86 h25 r180; PIN_NUMBER "P9" at 6988.53,7514.86 h25 r180; PIN_NUMBER "P6" at 6888.53,7664.86 h25 r180; PIN_NUMBER "P2" at 6888.53,7864.86 h25 r180; PIN_NUMBER "P5" at 6988.53,7714.86 h25 r180; PIN_NUMBER "P7" at 6988.53,7614.86 h25 r180; PIN_NUMBER "P8" at 6888.53,7564.86 h25 r180; PIN_NUMBER "P3" at 6988.53,7814.86 h25 r180; PIN_NUMBER "13" at 6445.62,7529.03 h25 r180; PIN_NUMBER "12" at 6445.62,7850.68 h25 r180; PIN_NUMBER "P1" at 6988.53,7914.86 h25 r180; PIN_NUMBER "14" at 6445.62,7429.03 h25 r180; PIN_NUMBER "11" at 6445.62,7950.68 h25 r180
J12: PIN_NUMBER "P10" at 6876.53,8185.86 h25 r180; PIN_NUMBER "16" at 6756.61,8105.74 h25 r180; PIN_NUMBER "15" at 6756.61,8715.97 h25 r180; PIN_NUMBER "18" at 6636.53,8184.87 h25 r180; PIN_NUMBER "17" at 6636.53,8636.84 h25 r180; PIN_NUMBER "P6" at 6886.53,8385.86 h25 r180; PIN_NUMBER "P4" at 6886.53,8485.86 h25 r180; PIN_NUMBER "P9" at 6986.53,8235.86 h25 r180; PIN_NUMBER "P7" at 6986.53,8335.86 h25 r180; PIN_NUMBER "P8" at 6886.53,8285.86 h25 r180; PIN_NUMBER "P3" at 6986.53,8535.86 h25 r180; PIN_NUMBER "P5" at 6986.53,8435.86 h25 r180; PIN_NUMBER "P2" at 6886.53,8585.86 h25 r180; PIN_NUMBER "P1" at 6986.53,8635.86 h25 r180; PIN_NUMBER "13" at 6443.62,8250.03 h25 r180; PIN_NUMBER "12" at 6443.62,8571.68 h25 r180; PIN_NUMBER "11" at 6443.62,8671.68 h25 r180; PIN_NUMBER "14" at 6443.62,8150.03 h25 r180
J13: PIN_NUMBER "16" at 6756.61,8816.74 h25 r180; PIN_NUMBER "P10" at 6876.53,8896.86 h25 r180; PIN_NUMBER "15" at 6756.61,9426.97 h25 r180; PIN_NUMBER "18" at 6636.53,8895.87 h25 r180; PIN_NUMBER "17" at 6636.53,9347.84 h25 r180; PIN_NUMBER "P9" at 6986.53,8946.86 h25 r180; PIN_NUMBER "P8" at 6886.53,8996.86 h25 r180; PIN_NUMBER "P6" at 6886.53,9096.86 h25 r180; PIN_NUMBER "P5" at 6986.53,9146.86 h25 r180; PIN_NUMBER "P7" at 6986.53,9046.86 h25 r180; PIN_NUMBER "P4" at 6886.53,9196.86 h25 r180; PIN_NUMBER "P3" at 6986.53,9246.86 h25 r180; PIN_NUMBER "P2" at 6886.53,9296.86 h25 r180; PIN_NUMBER "11" at 6443.62,9382.68 h25 r180; PIN_NUMBER "14" at 6443.62,8861.03 h25 r180; PIN_NUMBER "13" at 6443.62,8961.03 h25 r180; PIN_NUMBER "12" at 6443.62,9282.68 h25 r180; PIN_NUMBER "P1" at 6986.53,9346.86 h25 r180